# Altium PCB PCB2-v2.PcbDoc (part 1 of 8) (continued)
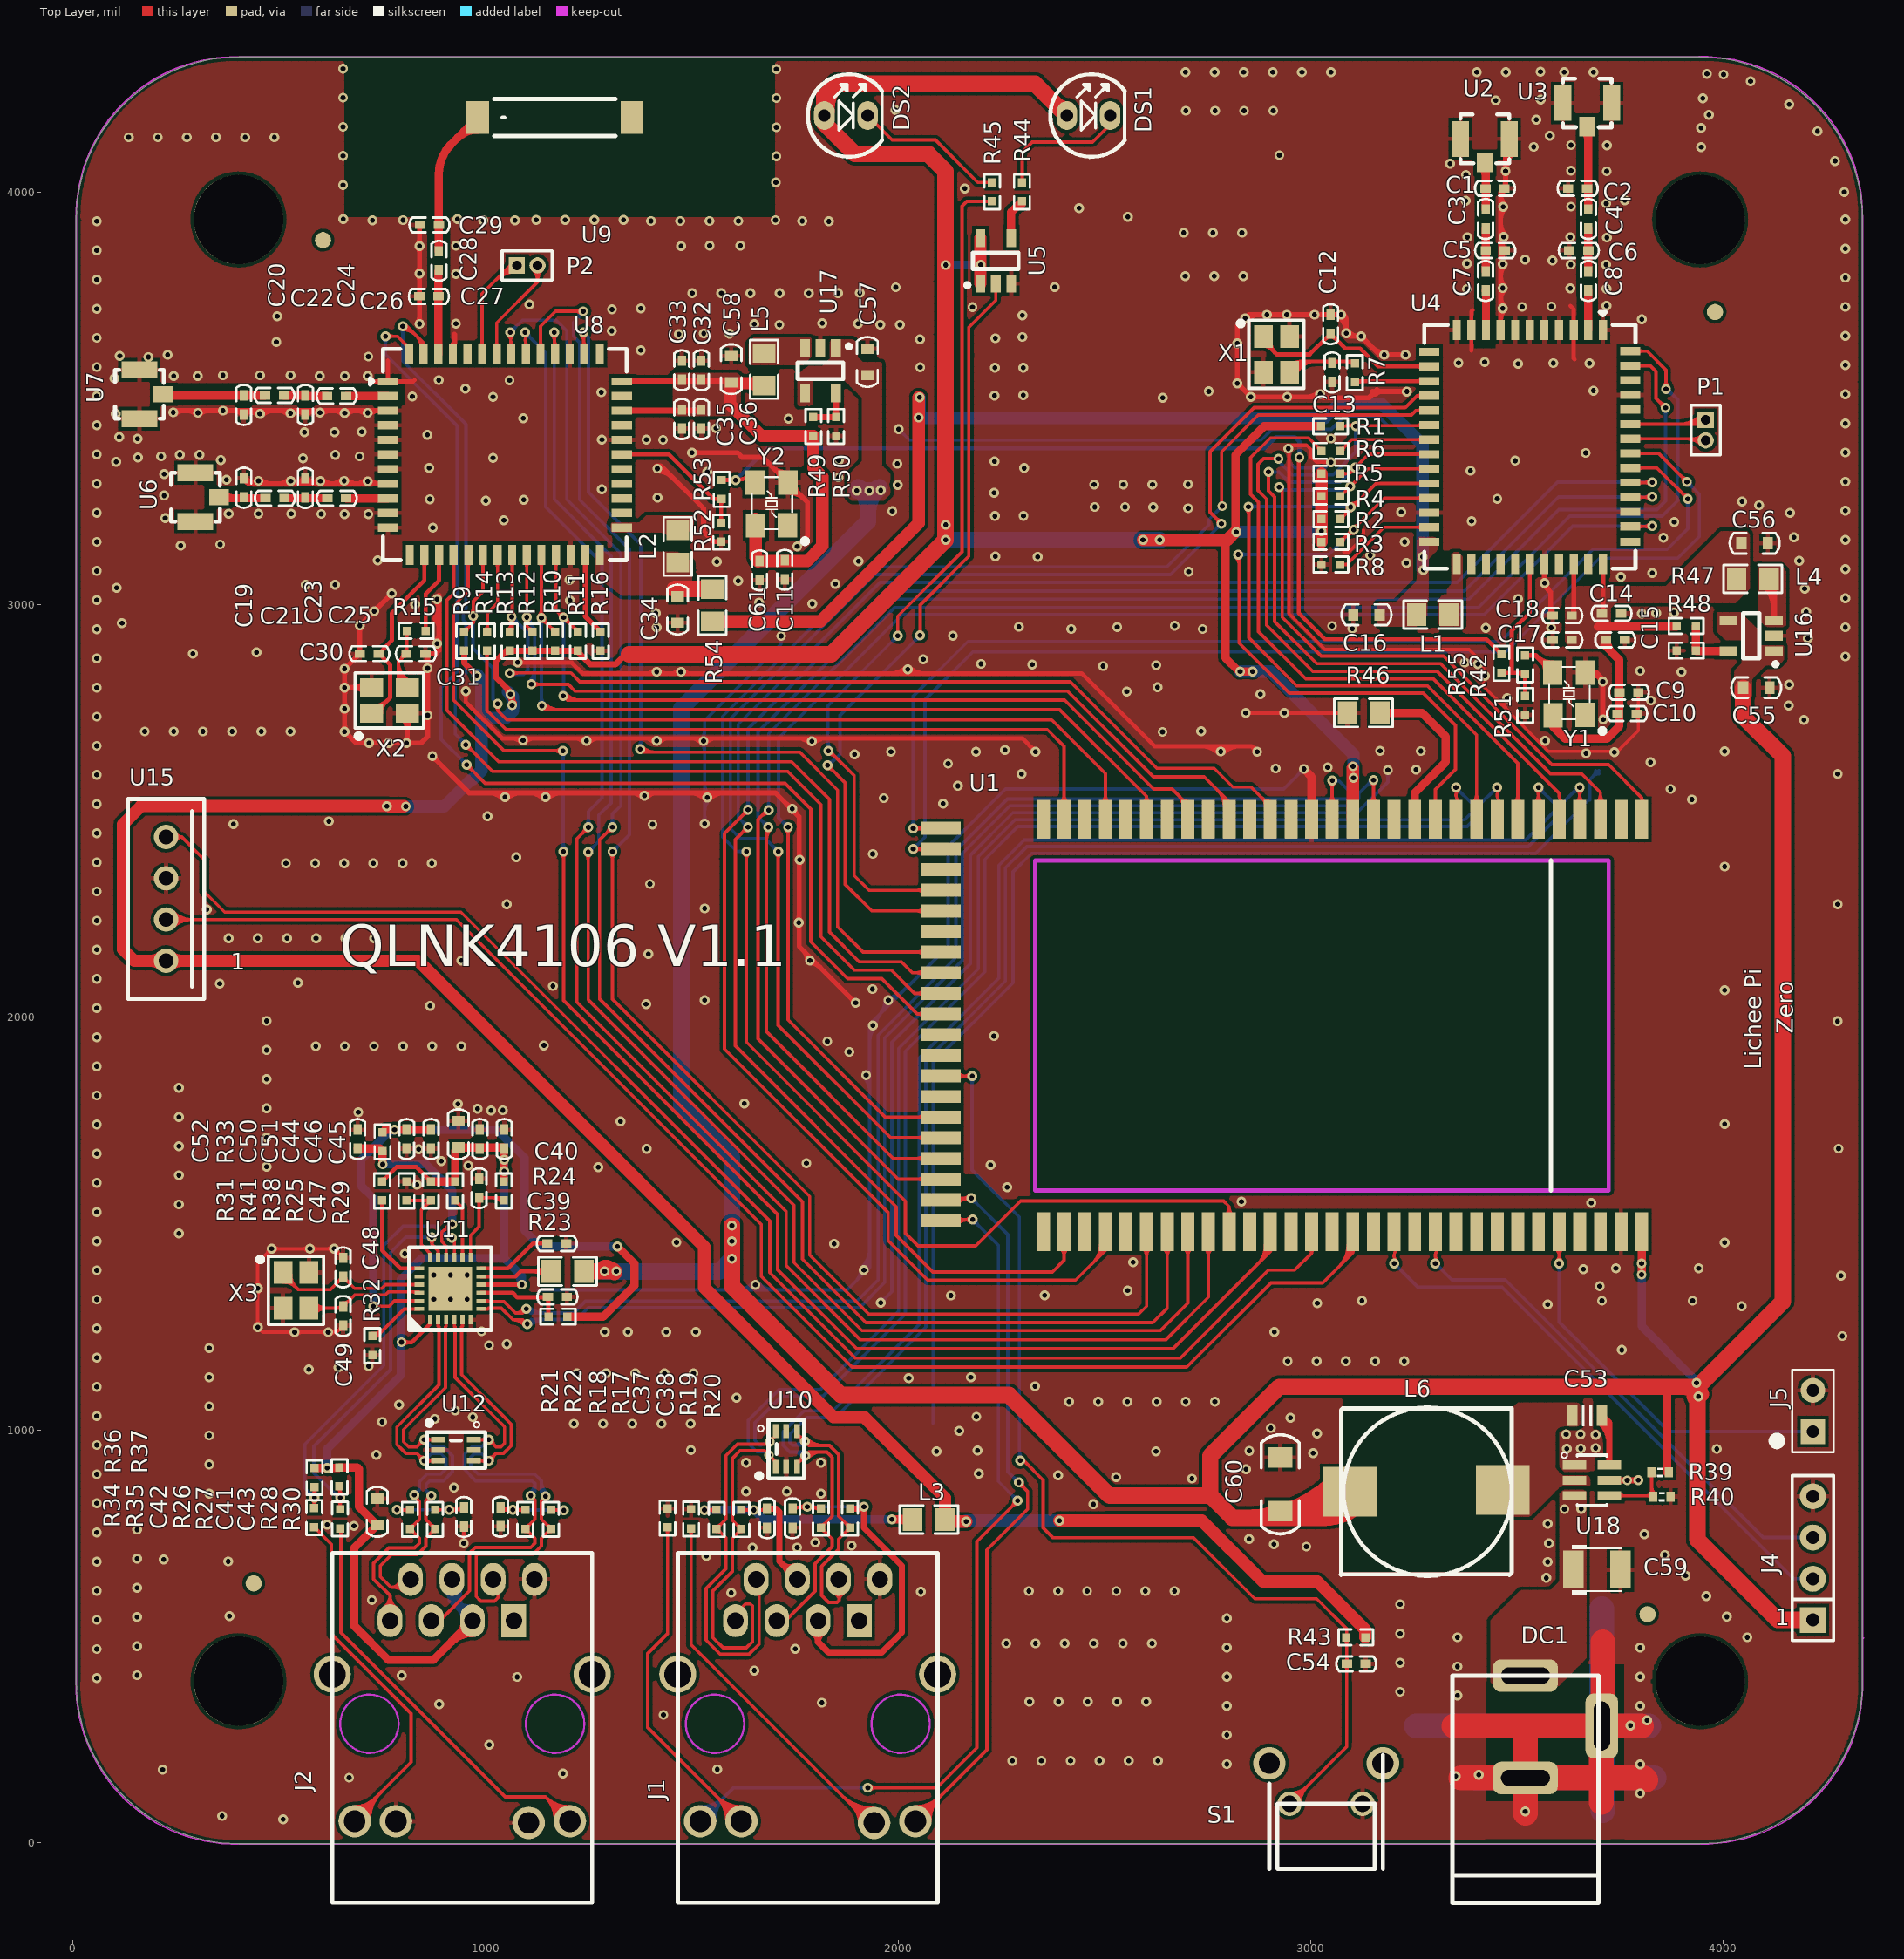
[diagram p0: Top Layer view]
## Footprints (in the part's own frame and the unit in brackets; to place one, negate y for a bottom-side part, rotate by r counter-clockwise, add the part's x,y. Pads: shape width x height; smd on the part's side, far side on the other; paste and mask are expansions set on the pad)
0402C [mil]
  rect 25x20 smd: 1(0,0) 2(46,0)
  silkscreen extent -25,-18 71,18, body extent 4,-12 43,12, height 8
0402R [mil]
  rect 20x20 smd: 1(-23,0) 2(23,0)
  silkscreen extent -42,-19 42,19, body extent -23,-11 23,11, height 16
0603C [mil]
  rect 25x30 smd: 1(0,0) 2(64,0)
  silkscreen extent -28,-25 92,25, body extent 0,-16 63,16, height 12
0805R [mm]
  rect 1.2x1.4 smd: 1(0,0) 2(2,0)
  silkscreen extent -0.8,-0.86 2.8,0.86, body extent 0,-0.62 2,0.63, height 0.77
1206C [mil]
  rect 50x60 smd: 1(0,0) 2(130,0)
  silkscreen extent -55,-46 185,46
3225 [mil]
  rect 47.24x59.06 smd: 1(-38.5,51) 2(-39.5,-52) 3(39.5,-52) 4(38.5,52)
  silkscreen extent -87,-65 48,96, body extent -50,-65 48,61, height 31
AN9520 [mm]
  rect 2x1.4 smd: 0(0,-9.5) 1(0,0)
  silkscreen extent -1.14,-8.51 1.14,-1.02, body extent -1.14,-9.52 1.14,0, height 1
AP6398SR3 [mm] "ap6398sr3"
  rect 0.5x1.25 smd: 1(-4.5,-7.2) 2(-3.6,-7.2) 3(-2.7,-7.2) 4(-1.8,-7.2) 5(-0.9,-7.2) 6(0,-7.2) 7(0.9,-7.2) 8(1.8,-7.2) 9(2.7,-7.2) 10(3.6,-7.2) 11(4.5,-7.2) 26(4.5,7.2) 27(3.6,7.2) 28(2.7,7.2) 29(1.8,7.2) 30(0.9,7.2) 31(0,7.2) 32(-0.9,7.2) 33(-1.8,7.2) 34(-2.7,7.2) 35(-3.6,7.2) 36(-4.5,7.2)
  rect 1.25x0.5 smd: 12(6.188,-5.85) 13(6.188,-4.95) 14(6.188,-4.05) 15(6.188,-3.15) 16(6.188,-2.25) 17(6.188,-1.35) 18(6.188,-0.45) 19(6.188,0.45) 20(6.188,1.35) 21(6.188,2.25) 22(6.188,3.15) 23(6.188,4.05) 24(6.188,4.95) 25(6.188,5.85) 37(-6.188,5.85) 38(-6.188,4.9) 39(-6.188,4) 40(-6.188,3.1) 41(-6.188,2.2) 42(-6.188,1.3) 43(-6.188,0.4) 44(-6.188,-0.5) 45(-6.188,-1.4) 46(-6.188,-2.3) 47(-6.188,-3.2) 48(-6.188,-4.1) 49(-6.188,-5) 50(-6.188,-5.9)
  silkscreen extent -6.5,-8.3 6.5,7.5, body extent -6.5,-7.5 6.5,7.5, height 1.5
CAP_0805 [mil]
  rect 26x52 smd: 1(-36,0) 2(36,0)
  silkscreen extent -12,-24 12,24, body extent -39,-24 39,24, height 50
CAP_TAN_B1210 [mil]
  rect 50x92 smd: 1(-57,0) 2(57,0)
  silkscreen extent -60,-60 60,60, body extent -69,-55 69,55, height 83
CN2 [mil] "Header 2 X 1"
  rect 60x60 hole 30: 1(0,0)
  round 60 hole 30: 2(0,-100)
  silkscreen extent -50,-150 97,50
DC005-2.0MM [mm] "DC005-2.0"
  rrect50% 2x4 hole 3 slot 1 at 0 deg: 1(0,0) 3(6.3,0)
  rrect50% 4x2 hole 3 slot 1 at 90 deg: 2(3.1,4.7)
  silkscreen extent 0,-4.5 14,4.5
DHT12 [mm]
  round 1.5 hole 0.9: 1(-3.81,0) 2(-1.27,0) 3(1.27,0) 4(3.81,0)
  silkscreen extent -6.15,-2.35 6.15,2.35, body extent -6.2,-2.4 6.2,2.4, height 7.5
IPEX [mm]
  rect 1.05x2.2 smd: 0(-1.5,1.5) 0(1.5,1.5)
  rect 1x1.2 smd: 1(0,0.05)
  silkscreen extent -1.5,0 1.5,3, body extent -1.52,0 1.52,3.05, height 1
LC-SMD-3225_4P [mm]
  rect 1.4x1.15 smd: 1(-1.1,-0.8) 2(1.1,-0.8) 3(1.1,0.8) 4(-1.1,0.8)
  silkscreen extent -2.1,-2.35 2.1,1.7, body extent -1.6,-1.25 1.6,1.25, height 0.61
LC-SOT-23-5 [mm]
  rect 1.1x0.6 smd: 1(1.4,-0.95) 2(1.4,0) 3(1.4,0.95) 4(-1.4,0.95) 5(-1.4,-0.95)
  silkscreen extent -0.5,-1.87 1.62,1.4
LED-5 [mil]
  oval 50x70 hole 30: A(0,0) K(105,0)
  silkscreen extent -40,-100 140,100
Lichee_Zero_Full [mm]
  rect 2.4x0.8 smd: 1(0,0) 2(0,-1.27) 3(0,-2.54) 4(0,-3.81) 5(0,-5.08) 6(0,-6.35) 7(0,-7.62) 8(0,-8.89) 9(0,-10.16) 10(0,-11.43) 11(0,-12.7) 12(0,-13.97) 13(0,-15.24) 14(0,-16.51) 15(0,-17.78) 16(0,-19.05) 17(0,-20.32) 18(0,-21.59) 19(0,-22.86) 20(0,-24.13) 21(0,-25.4) 22(0,-26.67) 23(0,-27.94) 24(0,-29.21) 25(0,-30.48) 26(0,-31.75) 27(0,-33.02) 28(0,-34.29) 29(0,-35.56) 30(0,-36.83) 31(25.4,-36.83) 32(25.4,-35.56) 33(25.4,-34.29) 34(25.4,-33.02) 35(25.4,-31.75) 36(25.4,-30.48) 37(25.4,-29.21) 38(25.4,-27.94) 39(25.4,-26.67) 40(25.4,-25.4) 41(25.4,-24.13) 42(25.4,-22.86) 43(25.4,-21.59) 44(25.4,-20.32) 45(25.4,-19.05) 46(25.4,-17.78) 47(25.4,-16.51) 48(25.4,-15.24) 49(25.4,-13.97) 50(25.4,-12.7) 51(25.4,-11.43) 52(25.4,-10.16) 53(25.4,-8.89) 54(25.4,-7.62) 55(25.4,-6.35) 56(25.4,-5.08) 57(25.4,-3.81) 58(25.4,-2.54) 59(25.4,-1.27) 60(25.4,0)
  rect 0.8x2.4 smd: 61(24.834,6.3) 62(23.564,6.3) 63(22.294,6.3) 64(21.024,6.3) 65(19.754,6.3) 66(18.484,6.3) 67(17.214,6.3) 68(15.944,6.3) 69(14.674,6.3) 70(13.404,6.3) 71(12.134,6.3) 72(10.864,6.3) 73(9.594,6.3) 74(8.324,6.3) 75(7.054,6.3) 76(5.784,6.3) 77(4.514,6.3) 78(3.244,6.3) 79(1.974,6.3) 80(0.704,6.3)
  Keep-Out Layer lines w0.254: 2.54,0.508 2.54,-34.798 22.86,-34.798 22.86,0.508 2.54,0.508
  silkscreen extent 2.54,-31.24 22.86,-31.24, body extent 0,-39.65 25.55,6.35, height 5.55
MHDR1X2 [mm] "Connector; Header; 2 Position"
  rect 1x1 hole 0.6: 1(0,0)
  round 1 hole 0.6: 2(1.27,0)
  silkscreen extent -0.9,-0.9 2.17,0.9
RES_0402 [mil]
  rect 20x24 smd: 1(-21,0) 2(21,0)
  silkscreen extent -6,-10 6,10, body extent -20,-10 20,10, height 16
RJ45-HR9111105A [mil] "?"
  oval 60x80 hole 40: 1(130.2,-330) 2(80.2,-430) 3(30.2,-330) 4(-19.8,-430) 5(-69.8,-330) 6(-119.8,-430) 8(-219.8,-430)
  rect 60x80 hole 40: 7(-169.8,-330)
  round 78.74 hole 51.97: 9(215.83,156.22) 10(115.83,156.22) 11(-205.83,160) 12(-305.83,156.22)
  round 90 hole 65: 13(270.16,-200.08) 14(-359.76,-200.08)
  Keep-Out Layer circle w5: c180,-80 r70.8
  Keep-Out Layer circle w5: c-270,-80 r70.8
  silkscreen extent -360,-493 270,353
RTL8152B [mm]
  rect 0.25x0.6 smd: 1(-1.25,-1.905) 2(-0.75,-1.905) 3(-0.25,-1.905) 4(0.25,-1.905) 5(0.75,-1.905) 6(1.25,-1.905) 13(1.25,1.905) 14(0.75,1.905) 15(0.25,1.905) 16(-0.25,1.905) 17(-0.75,1.905) 18(-1.25,1.905)
  rect 0.6x0.25 smd: 7(1.905,-1.25) 8(1.905,-0.75) 9(1.905,-0.25) 10(1.905,0.25) 11(1.905,0.75) 12(1.905,1.25) 19(-1.905,1.25) 20(-1.905,0.75) 21(-1.905,0.25) 22(-1.905,-0.25) 23(-1.905,-0.75) 24(-1.905,-1.25)
  rect 2.7x2.7 smd paste+0: 25(0,0)
  silkscreen extent -2.54,-2.54 2.54,2.54, body extent -2,-2 2,2, height 0.85
SIP4-2.54 [mm]
  rect 1.6x1.6 hole 0.8: 1(0,0)
  round 1.6 hole 0.8: 2(2.54,0) 3(5.08,0) 4(7.62,0)
  silkscreen extent -1.27,-1.27 8.89,1.27
SKHHLVA010 [mm]
  round 1.5 hole 1: 1(-2.25,0) 2(2.25,0)
  silkscreen extent -3.5,-4 3.5,3
SLF10145 [mil]
  rect 130x120 smd: 1(0,0) 2(370.08,3.94)
  silkscreen extent -23,-204 392,204
SOT23-6 [mm] "SOT-23/SC-74A; 5 Leads; Body 3.1 x 3 mm, inc. leads (LxW max)"
  rect 0.55x1.45 smd: 1(0.95,1.075) 2(0,1.075) 3(-0.95,1.075) 4(-0.95,-1.075) 5(0,-1.075) 6(0.95,-1.075)
  silkscreen extent -1.55,-0.9 1.73,1.88, body extent -1.4,-1.19 1.4,1.23, height 1.08
TPD4E1U06 [mm]
  rect 0.35x0.85 smd: 1(-0.65,-1.1) 2(0,-1.1) 3(0.65,-1.1) 4(0.65,1.1) 5(0,1.1) 6(-0.65,1.1)
  silkscreen extent -1.82,-1.8 1.1,1.8, body extent -1.1,-0.7 1.1,0.7, height 1.1

## Part data
C1 C2 C3 C4 C5 C6 C7 C8 C9 C10 C11 C12 C13 C14 C15 C16 C17 C18 C19 C20 C21 C22 C23 C24 C25 C26 C27 C28 C29 C30 C31 C32 C33 C34 C35 C36 C37 C38 C39 C40 C41 C42 C43 C44 C45 C46 C47 C48 C49 C50 C51 C52 C54 C55 C56 C57 C58 C60 C61: library part CAP, "SMD-CAP"
C53: library part Cap_0805, "Capacitor"
C59: library part Cap_Tan_1210, "Capacitor"
DC1: library part DC5V
DS1: library part LED, "Blue LED"
DS2: library part LED, "Green LED"
J1 J2: library part RJ45-HR9111105A
J4: library part SIP4, "jointbar"
J5: library part CN2
L1 L2: library part L1, "LQM2MPN2R2NG0L"
L3: library part L1, "电感"
L4 L5: library part L1, "LQM2MPN3R3NG0L"
L6: library part L1, "SLF10145T-3R3N3R7-PF"
P1 P2: library part MHDR1X2, "Header, 2-Pin"
R1 R2 R3 R4 R5 R6 R7 R8 R9 R10 R11 R12 R13 R14 R15 R16 R17 R18 R19 R20 R21 R22 R23 R24 R25 R26 R27 R28 R29 R30 R31 R32 R33 R34 R35 R36 R37 R38 R41 R42 R43 R44 R45 R46 R47 R48 R49 R50 R51 R52 R53 R54 R55: library part R
R39 R40: library part Res_0402, "Resistor"
S1: library part SW-PB, "SKHHLVA010"
U1: library part Lichee_Zero_Full, "Lichee_pizero LPZ1011"
U5: "SN74AHC1G08DBVR"
X1 X2: "37.4MHz"
X3: library part XTAL-4pin
Y1 Y2: library part XATL1, "3225 有源"

## Free pads (board coordinates)
  round 216.54 hole 216.54 unplated: 0(400.59,390.59) 0(400.59,3933.9) 0(3943.89,390.59) 0(3943.89,3933.9)
  round 39.37 smd mask+39.37: 0(437.53,627.89) 0(605.51,3883.89) 0(3816.33,553.07) 0(3979.89,3709.6)

## Via types
v1: diameter 24, hole 12, Top Layer to Bottom Layer, tented both sides, 931 vias
v2: diameter 78.74, hole 51.18, Top Layer to Bottom Layer, 2 vias

## Nets (pads, with @x,y where several pads share a name; then routed paths per layer and width w, separated by ;. In a path a pad name is that pad's centre, name@x,y a point inside that pad or via, vN(x,y) a via of type N, cw(c..) or ccw(c..) an arc to the next point about the centre after c; other vN are vias at no path point)
3V3: DS1.A DS2.A L3.2 R1.2 R2.2 R3.2 R4.2 R5.2 R9.2 R10.2 R11.2 R12.2 R13.2 R43.2 U1.45 U5.1 U5.5 U15.1 | length 12632.2
  Top Layer w15: R9.2@947.83,2888.52 947.83,2858.52 v1@978.57,2827.78 ; v1@1057.41,2785.07 cw(c1041.77,2769.44) 1063.89,2769.44 ; v1@1063.89,2761.28 1063.89,2784.96 1024.01,2824.84 1024.01,2862.99 1049.54,2888.52 R13.2@1058.07,2888.52 R12.2@1113.19,2888.52 R10.2@1168.3,2888.52 1220.28,2888.52 1253.1,2855.7 1314.93,2855.7 1337.89,2878.66 ; v1@1063.89,2772.18 ccw(c1077.06,2772.18) v1@1067.75,2762.86 ; 1039.24,2878.22 cw(c1058.07,2859.4) R13.2@1058.07,2886.02 ; 1039.24,2878.22 cw(c1058.07,2859.4) R13.2@1058.07,2886.02 ; 1039.24,2878.22 cw(c1058.07,2859.4) R13.2@1058.07,2886.02 ; 1039.24,2878.22 cw(c1058.07,2859.4) R13.2@1058.07,2886.02 ; 1047.92,2800.92 cw(c1030.19,2783.19) v1@1055.27,2783.19 ; 1047.92,2800.92 cw(c1030.19,2783.19) v1@1055.27,2783.19 ; 1047.92,2800.92 cw(c1030.19,2783.19) v1@1055.27,2783.19 ; v1@1056.59,2780.01 cw(c1038.96,2762.38) v1@1063.89,2762.38 ; v1@1056.59,2780.01 cw(c1038.96,2762.38) v1@1063.89,2762.38 ; v1@1056.59,2780.01 cw(c1038.96,2762.38) v1@1063.89,2762.38 ; R11.2@1225.92,2888.52 ccw(c1239.55,2888.52) R11.2@1229.91,2878.89 ; R11.2@1225.92,2888.52 ccw(c1239.55,2888.52) R11.2@1229.91,2878.89 ; R11.2@1225.92,2888.52 ccw(c1239.55,2888.52) R11.2@1229.91,2878.89
  Top Layer w20: 2793.16,3157.13 2793.16,2871.06 2826.12,2838.1 v1(2858.74,2838.1) ; v1@2817.24,3176.78 2817.24,3363.4 2886.58,3432.74 R1.2@3024.92,3432.74
  Top Layer w30: v1@802.09,2511.52 764.45,2511.52 764.05,2511.92 164.58,2511.92 120.52,2467.86 120.52,2164.71 148.15,2137.07 U15.1@225.08,2137.07 836.5,2137.07 1529.51,1444.07 1529.51,1344.92 1843.01,1031.42 1916.89,1031.42 2113.24,835.07 L3.2@2113.24,782.68 2118.18,777.74 v1(2164.77,777.74) ; U5.1@2198.97,3778.71 U5.5@2198.97,3888.94 ; v1(2390.71,779.95) 2735.94,779.95 2883.55,632.33 3015.57,632.33 3132.25,515.66 R43.2@3132.25,496.89 ; v1(2593.29,3157.13) 2793.16,3157.13 ; 2797.59,3157.13 v1@2817.24,3176.78 ; R3.2@3025.73,3152.46 R2.2@3025.73,3207.58 R4.2@3025.73,3262.7 R5.2@3025.73,3317.81 ; U1.45@3101.96,2480.2 v1@3101.96,2604.62 ; 190.01,2137.07 cw(c190.01,2102) U15.1@214.81,2126.8 ; 190.01,2137.07 ccw(c190.01,2172.15) U15.1@214.81,2147.35 ; 190.01,2137.07 cw(c190.01,2102) U15.1@214.81,2126.8 ; 190.01,2137.07 ccw(c190.01,2172.15) U15.1@214.81,2147.35 ; 190.01,2137.07 ccw(c190.01,2172.15) U15.1@214.81,2147.35 ; 190.01,2137.07 cw(c190.01,2102) U15.1@214.81,2126.8 ; 190.01,2137.07 ccw(c190.01,2172.15) U15.1@214.81,2147.35 ; 190.01,2137.07 cw(c190.01,2102) U15.1@214.81,2126.8 ; U15.1@235.36,2126.8 cw(c260.16,2102) 260.16,2137.07 ; U15.1@235.36,2126.8 cw(c260.16,2102) 260.16,2137.07 ; U15.1@235.36,2126.8 cw(c260.16,2102) 260.16,2137.07 ; U15.1@235.36,2126.8 cw(c260.16,2102) 260.16,2137.07 ; U15.1@235.36,2147.35 ccw(c260.16,2172.15) 260.16,2137.07 ; U15.1@235.36,2147.35 ccw(c260.16,2172.15) 260.16,2137.07 ; U15.1@235.36,2147.35 ccw(c260.16,2172.15) 260.16,2137.07 ; U15.1@235.36,2147.35 ccw(c260.16,2172.15) 260.16,2137.07
  Top Layer w40: 1347.51,2879.55 1837.31,2879.55 v1(2114.89,3157.13) v1(2114.89,3193.81) v1(2114.89,3823.57) 2114.89,4050.52 2072.78,4092.62 1894.89,4092.62 1820.83,4166.69 DS2.A@1820.83,4185.85 1820.83,4232.57 1851.27,4263.02 ; DS1.A@2408.67,4185.85 2331.5,4263.02 1851.27,4263.02 ; 1851.27,4263.01 ccw(c1913.07,4201.21) 1825.82,4196.14 cw(c1913.07,4201.21) 1851.27,4263.01 ; 2383.06,4211.46 ccw(c2408.67,4237.06) 2408.67,4200.85 cw(c2408.67,4237.06) 2383.06,4211.46
  Bottom Layer w15: v1(760.19,2511.52) v1@760.19,2513.06
  Bottom Layer w20: v1(2114.89,3823.57) 2199.74,3823.57 v1(2200.02,3823.85)
  Bottom Layer w30: v1@763.84,2511.04 899.22,2511.04 965.08,2576.89 968.38,2576.89 989.66,2598.17 989.66,2816.82 v1@978.89,2827.59 ; 993.4,2724.89 1047.9,2724.89 1065.96,2742.95 1065.96,2776.84 v1@1063.33,2779.46 ; v1@2164.77,779.89 v1@2390.71,779.89 ; v1(2819.38,3176.62) v1@3025.73,3176.62 ; v1(2828.64,2838.1) v1(2858.74,2838.1) 2902.68,2838.1 3103.37,2637.41 v1(3103.37,2580.21) ; v1@980.5,2829.71 cw(c958.39,2807.6) 989.66,2807.6 ; v1@980.5,2829.71 cw(c958.39,2807.6) 989.66,2807.6 ; v1@980.5,2829.71 cw(c958.39,2807.6) 989.66,2807.6 ; v1@980.5,2829.71 cw(c958.39,2807.6) 989.66,2807.6 ; v1@1053.56,2789.24 cw(c1020.76,2756.44) v1@1067.15,2756.44 ; v1@1053.56,2789.24 cw(c1020.76,2756.44) v1@1067.15,2756.44 ; v1@1053.56,2789.24 cw(c1020.76,2756.44) v1@1067.15,2756.44 ; 1058.45,2735.44 ccw(c1037.45,2756.44) v1@1067.15,2756.44 ; 1058.45,2735.44 ccw(c1037.45,2756.44) v1@1067.15,2756.44 ; 1058.45,2735.44 ccw(c1037.45,2756.44) v1@1067.15,2756.44
  Bottom Layer w40: v1@2114.89,3187.03 v1(2114.89,3157.13) v1(2593.29,3157.13) v1(2633.92,3157.13)
  other v1: 806.23,2511.04 3102.42,2608.45 1064.15,2756.44 1059.77,2783.19 978.38,2827.59 3025.9,3178.3
+12: C59.1 DC1.1 U18.3 U18.5 | length 107.2
  Top Layer w15: U18.5@3724.1,877.62 3791.48,877.62 v1@3791.89,877.22 ; 3781.64,877.62 ccw(c3781.64,890.11) v1@3790.48,881.28 ; 3781.64,877.62 ccw(c3781.64,890.11) v1@3790.48,881.28 ; 3781.64,877.62 ccw(c3781.64,890.11) v1@3790.48,881.28 ; 3781.64,877.62 ccw(c3781.64,890.11) v1@3790.48,881.28
  other v1: 3614.79,807.89 3655.89,808.48 3767.06,877.62 3793.66,878.1
AVDD10: C50.1 C51.1 R23.1 R33.1 U11.23 | length 1981.1
  Top Layer w8: v1(727.57,1299.72) 765.81,1299.72 778.76,1312.66 U11.23@839.06,1312.66 ; v1@733.23,1294.06 cw(c746.89,1280.4) 746.89,1299.72 ; v1@733.23,1294.06 cw(c746.89,1280.4) 746.89,1299.72 ; v1@733.23,1294.06 cw(c746.89,1280.4) 746.89,1299.72 ; v1@733.23,1294.06 cw(c746.89,1280.4) 746.89,1299.72 ; v1@733.23,1305.37 ccw(c746.89,1319.03) 746.89,1299.72 ; v1@733.23,1305.37 ccw(c746.89,1319.03) 746.89,1299.72 ; v1@733.23,1305.37 ccw(c746.89,1319.03) 746.89,1299.72 ; v1@733.23,1305.37 ccw(c746.89,1319.03) 746.89,1299.72
  Top Layer w20: R33.1@756.33,1727.81 C50.1@808.09,1727.81 C51.1@867.31,1727.81 ; R23.1@1198.03,1274.35 1284.9,1274.35 1360.4,1349.86 1360.4,1403.37 v1(1319.23,1444.54) ; R33.1@749.87,1721.36 cw(c765.46,1705.77) 765.46,1727.81 ccw(c765.46,1705.77) R33.1@749.87,1721.36
  Bottom Layer w20: v1(727.57,1299.72) 727.57,1561.74 698.41,1590.91 698.41,1655.12 707.87,1664.59 741.64,1698.36 ; 752.04,1708.75 741.64,1698.36 ; v1(1319.23,1444.54) 1132.76,1444.54 1094.15,1483.15 1094.15,1659.9 1026.4,1727.64 v1(778.97,1727.64) 770.93,1727.64 741.64,1698.36 ; 761.83,1718.54 cw(c778.97,1701.4) 778.97,1725.65 ccw(c778.97,1701.4) 761.83,1718.54
AVDD_33_PHY: C42.1 C44.1 C45.1 C46.1 J2.4 J2.5 R25.1 R29.1 R31.1 R36.2 R37.2 R38.2 U11.1 U11.10 | length 4158.8
  Top Layer w10: R31.1@748.7,1602.21 783.55,1637.06 831.97,1637.06 R38.2@866.82,1602.21 ; v1@792.19,1211.73 820.18,1211.73 U11.1@864.85,1256.4 ; U11.10@989.06,1352.03 1051.84,1352.03 ; v1(1087.69,1352.03) 1051.84,1352.03 ; R31.1@748.7,1607.21 ccw(c748.7,1619.28) R31.1@757.24,1610.74 ; R31.1@748.7,1607.21 ccw(c748.7,1619.28) R31.1@757.24,1610.74 ; R31.1@748.7,1607.21 ccw(c748.7,1619.28) R31.1@757.24,1610.74 ; R31.1@748.7,1607.21 ccw(c748.7,1619.28) R31.1@757.24,1610.74 ; R31.1@753.7,1602.21 cw(c765.78,1602.21) R31.1@757.24,1610.74 ; R31.1@753.7,1602.21 cw(c765.78,1602.21) R31.1@757.24,1610.74 ; R31.1@753.7,1602.21 cw(c765.78,1602.21) R31.1@757.24,1610.74 ; R31.1@753.7,1602.21 cw(c765.78,1602.21) R31.1@757.24,1610.74 ; v1@800.64,1207.53 cw(c810.77,1197.4) 810.77,1211.73 ; v1@800.64,1207.53 cw(c810.77,1197.4) 810.77,1211.73 ; v1@800.64,1207.53 cw(c810.77,1197.4) 810.77,1211.73 ; v1@800.64,1207.53 cw(c810.77,1197.4) 810.77,1211.73 ; v1@800.64,1217.43 ccw(c814.4,1231.2) 814.4,1211.73 ; v1@800.64,1217.43 ccw(c814.4,1231.2) 814.4,1211.73 ; v1@800.64,1217.43 ccw(c814.4,1231.2) 814.4,1211.73 ; v1@800.64,1217.43 ccw(c814.4,1231.2) 814.4,1211.73 ; R38.2@858.28,1610.74 cw(c849.74,1602.21) R38.2@861.82,1602.21 ; R38.2@858.28,1610.74 ccw(c866.82,1619.28) R38.2@866.82,1607.21 ; R38.2@858.28,1610.74 cw(c849.74,1602.21) R38.2@861.82,1602.21 ; R38.2@858.28,1610.74 ccw(c866.82,1619.28) R38.2@866.82,1607.21 ; R38.2@858.28,1610.74 ccw(c866.82,1619.28) R38.2@866.82,1607.21 ; R38.2@858.28,1610.74 cw(c849.74,1602.21) R38.2@861.82,1602.21 ; R38.2@858.28,1610.74 ccw(c866.82,1619.28) R38.2@866.82,1607.21 ; R38.2@858.28,1610.74 cw(c849.74,1602.21) R38.2@861.82,1602.21 ; 1051.84,1352.03 1073.64,1352.03 ; 1070.79,1352.03 ccw(c1070.79,1368.93) v1@1082.74,1356.98 ; 1070.79,1352.03 cw(c1070.79,1335.14) v1@1082.74,1347.08 ; 1070.79,1352.03 ccw(c1070.79,1368.93) v1@1082.74,1356.98 ; 1070.79,1352.03 cw(c1070.79,1335.14) v1@1082.74,1347.08 ; 1070.79,1352.03 ccw(c1070.79,1368.93) v1@1082.74,1356.98 ; 1070.79,1352.03 cw(c1070.79,1335.14) v1@1082.74,1347.08 ; 1070.79,1352.03 ccw(c1070.79,1368.93) v1@1082.74,1356.98 ; 1070.79,1352.03 cw(c1070.79,1335.14) v1@1082.74,1347.08 ; 1073.64,1352.03 ccw(c1073.64,1362.63) 1082.1,1356.25 cw(c1073.64,1362.63) 1073.64,1352.03 ; 1073.64,1352.03 cw(c1073.64,1341.44) 1082.1,1347.82 ccw(c1073.64,1341.44) 1073.64,1352.03 ; 862.22,1253.78 ccw(c855.7,1260.3) 864.93,1260.3 cw(c855.7,1260.3) 862.22,1253.78
  Top Layer w20: R36.2@585.02,907.43 v1(615.59,907.43) 644,907.43 R37.2@645.55,908.99 688.95,908.99 692.78,905.16 692.78,813.35 C42.1@736.89,769.24 680.8,713.15 680.8,525.53 763.51,442.82 873.34,442.82 J2.5@967.96,537.45 ; R38.2@866.82,1602.21 R25.1@925.87,1602.21 925.87,1677.05 C44.1@933.54,1684.71 1042.08,1684.71 C45.1@1043.98,1682.81 ; R29.1@1043.98,1602.21 C45.1@1043.98,1682.81 ; C45.1@1044.98,1681.81 C45.1@1043.98,1682.81 ; 925.87,1666.2 cw(c949.54,1666.2) C44.1@932.8,1682.94 ; 925.87,1666.2 cw(c949.54,1666.2) C44.1@932.8,1682.94 ; 925.87,1666.2 cw(c949.54,1666.2) C44.1@932.8,1682.94 ; 925.87,1666.2 cw(c949.54,1666.2) C44.1@932.8,1682.94 ; 916.75,486.24 cw(c967.96,435.03) 967.96,507.45 ccw(c967.96,435.03) 916.75,486.24 ; 940.89,510.38 ccw(c923.82,527.45) 947.96,527.45 cw(c923.82,527.45) 940.89,510.38
  Bottom Layer w20: v1(615.59,907.43) 615.59,953.88 794.09,1132.39 794.09,1365.03 845.13,1416.07 1044.64,1416.07 ; J2.4@917.96,637.45 917.96,587.45 ; J2.5@967.96,537.45 917.96,587.45 ; v1@1044.64,1654.85 v1(1044.64,1627.01) 1044.64,1416.07 ; v1(1087.69,1352.03) 1087.69,1373.02 1044.64,1416.07 ; J2.4@905.96,611.45 cw(c887.97,587.45) 917.96,587.45 ; J2.4@905.96,611.45 cw(c887.97,587.45) 917.96,587.45 ; J2.4@905.96,611.45 cw(c887.97,587.45) 917.96,587.45 ; J2.4@905.96,611.45 cw(c887.97,587.45) 917.96,587.45 ; 917.96,587.45 cw(c947.96,587.45) J2.4@929.96,611.45 ; 917.96,587.45 cw(c947.96,587.45) J2.4@929.96,611.45 ; 917.96,587.45 cw(c947.96,587.45) J2.4@929.96,611.45 ; 917.96,587.45 cw(c947.96,587.45) J2.4@929.96,611.45 ; J2.4@917.96,627.45 ccw(c958.7,609.61) 927.25,578.16 cw(c958.7,609.61) J2.4@917.96,627.45 ; 922.97,582.45 ccw(c960.18,619.67) 965.82,567.34 cw(c960.18,619.67) 922.97,582.45 ; J2.4@936.28,619.43 ccw(c987.5,596.99) 947.96,557.45 cw(c987.5,596.99) J2.4@936.28,619.43 ; 940.89,564.52 cw(c923.82,547.45) 947.96,547.45 ccw(c923.82,547.45) 940.89,564.52 ; 1069.43,1391.28 cw(c1030.19,1352.03) 1085.69,1352.03 ccw(c1030.19,1352.03) 1069.43,1391.28
  other v1: 795.69,1212.48 1044.94,1654.85
BT0_CTS: U1.61 U4.42 | length 3571.1
  Top Layer w8: v1@2036.24,2457.92 U1.61@2103.93,2457.92 ; 3827.89,3331.54 U4.42@3774.6,3331.54 3839.24,3331.54 v1(3913.89,3256.89) ; v1@2041.9,2452.18 cw(c2055.74,2438.33) 2055.74,2457.92 ; v1@2041.9,2452.18 cw(c2055.74,2438.33) 2055.74,2457.92 ; v1@2041.9,2452.18 cw(c2055.74,2438.33) 2055.74,2457.92 ; v1@2041.9,2452.18 cw(c2055.74,2438.33) 2055.74,2457.92 ; v1@2041.9,2463.49 ccw(c2055.36,2476.96) 2055.36,2457.92 ; v1@2041.9,2463.49 ccw(c2055.36,2476.96) 2055.36,2457.92 ; v1@2041.9,2463.49 ccw(c2055.36,2476.96) 2055.36,2457.92 ; v1@2041.9,2463.49 ccw(c2055.36,2476.96) 2055.36,2457.92 ; v1@2044.07,2457.92 cw(c2044.07,2429.55) U1.61@2064.13,2449.61 ; v1@2044.07,2457.92 ccw(c2044.07,2486.28) U1.61@2064.13,2466.22 ; v1@2044.07,2457.92 cw(c2044.07,2429.55) U1.61@2064.13,2449.61 ; v1@2044.07,2457.92 ccw(c2044.07,2486.28) U1.61@2064.13,2466.22 ; v1@2044.07,2457.92 ccw(c2044.07,2486.28) U1.61@2064.13,2466.22 ; v1@2044.07,2457.92 cw(c2044.07,2429.55) U1.61@2064.13,2449.61 ; v1@2044.07,2457.92 ccw(c2044.07,2486.28) U1.61@2064.13,2466.22 ; v1@2044.07,2457.92 cw(c2044.07,2429.55) U1.61@2064.13,2449.61 ; U4.42@3793.5,3327.41 cw(c3803.47,3317.43) 3803.47,3331.54 ; U4.42@3793.5,3327.41 cw(c3803.47,3317.43) 3803.47,3331.54 ; U4.42@3793.5,3327.41 cw(c3803.47,3317.43) 3803.47,3331.54 ; U4.42@3793.5,3327.41 cw(c3803.47,3317.43) 3803.47,3331.54 ; U4.42@3793.5,3327.41 cw(c3803.47,3317.43) 3803.47,3331.54 ; U4.42@3793.5,3327.41 cw(c3803.47,3317.43) 3803.47,3331.54 ; U4.42@3793.5,3327.41 cw(c3803.47,3317.43) 3803.47,3331.54 ; U4.42@3793.5,3327.41 cw(c3803.47,3317.43) 3803.47,3331.54 ; U4.42@3793.5,3335.67 ccw(c3803.47,3345.64) 3803.47,3331.54 ; U4.42@3793.5,3335.67 ccw(c3803.47,3345.64) 3803.47,3331.54 ; U4.42@3793.5,3335.67 ccw(c3803.47,3345.64) 3803.47,3331.54 ; U4.42@3793.5,3335.67 ccw(c3803.47,3345.64) 3803.47,3331.54 ; U4.42@3793.5,3335.67 ccw(c3803.47,3345.64) 3803.47,3331.54 ; U4.42@3793.5,3335.67 ccw(c3803.47,3345.64) 3803.47,3331.54 ; U4.42@3793.5,3335.67 ccw(c3803.47,3345.64) 3803.47,3331.54 ; U4.42@3793.5,3335.67 ccw(c3803.47,3345.64) 3803.47,3331.54 ; 3900.23,3270.55 cw(c3886.57,3256.89) v1@3905.89,3256.89 ; 3900.23,3270.55 ccw(c3913.89,3284.21) v1@3913.89,3264.89 ; 3900.23,3270.55 cw(c3886.57,3256.89) v1@3905.89,3256.89 ; 3900.23,3270.55 ccw(c3913.89,3284.21) v1@3913.89,3264.89 ; 3900.23,3270.55 ccw(c3913.89,3284.21) v1@3913.89,3264.89 ; 3900.23,3270.55 cw(c3886.57,3256.89) v1@3905.89,3256.89 ; 3900.23,3270.55 ccw(c3913.89,3284.21) v1@3913.89,3264.89 ; 3900.23,3270.55 cw(c3886.57,3256.89) v1@3905.89,3256.89
  Bottom Layer w8: v1(2036.24,2457.84) 2036.24,2778.25 2168.89,2910.89 3460.89,2910.89 3683.89,3133.89 3863.89,3133.89 3913.89,3183.89 v1(3913.89,3256.89) ; v1@2030.58,2463.49 ccw(c2016.93,2477.15) 2036.24,2477.15 ; v1@2030.58,2463.49 ccw(c2016.93,2477.15) 2036.24,2477.15 ; v1@2030.58,2463.49 ccw(c2016.93,2477.15) 2036.24,2477.15 ; v1@2030.58,2463.49 ccw(c2016.93,2477.15) 2036.24,2477.15 ; 2036.24,2477.15 ccw(c2055.55,2477.15) v1@2041.9,2463.49 ; 2036.24,2477.15 ccw(c2055.55,2477.15) v1@2041.9,2463.49 ; 2036.24,2477.15 ccw(c2055.55,2477.15) v1@2041.9,2463.49 ; 2036.24,2477.15 ccw(c2055.55,2477.15) v1@2041.9,2463.49 ; v1@3908.23,3251.24 cw(c3894.57,3237.58) 3913.89,3237.58 ; v1@3908.23,3251.24 cw(c3894.57,3237.58) 3913.89,3237.58 ; v1@3908.23,3251.24 cw(c3894.57,3237.58) 3913.89,3237.58 ; v1@3908.23,3251.24 cw(c3894.57,3237.58) 3913.89,3237.58 ; 3913.89,3237.58 cw(c3933.2,3237.58) v1@3919.54,3251.24 ; 3913.89,3237.58 cw(c3933.2,3237.58) v1@3919.54,3251.24 ; 3913.89,3237.58 cw(c3933.2,3237.58) v1@3919.54,3251.24 ; 3913.89,3237.58 cw(c3933.2,3237.58) v1@3919.54,3251.24
BT0_HOST_WAKE: U1.78 U4.50 | length 4978.4
  Top Layer w8: v1(1685.89,2501.89) 1685.89,2505.89 1659.89,2479.89 1659.89,1947.89 1999.86,1607.92 U1.78@2103.93,1607.92 ; U4.50@3774.6,3615 3814.95,3615 3860.97,3568.98 v1(3860.97,3522.68) ; 1665.4,2485.41 cw(c1685.89,2464.92) v1@1685.89,2493.89 ; 1665.4,2485.41 cw(c1685.89,2464.92) v1@1685.89,2493.89 ; 1665.4,2485.41 cw(c1685.89,2464.92) v1@1685.89,2493.89 ; 1665.4,2485.41 cw(c1685.89,2464.92) v1@1685.89,2493.89 ; 1675.06,2495.06 ccw(c1668.23,2501.89) v1@1677.89,2501.89 ; 1675.06,2495.06 ccw(c1668.23,2501.89) v1@1677.89,2501.89 ; 1675.06,2495.06 ccw(c1668.23,2501.89) v1@1677.89,2501.89 ; 1675.06,2495.06 ccw(c1668.23,2501.89) v1@1677.89,2501.89 ; 2044.07,1607.92 cw(c2044.07,1579.55) U1.78@2064.13,1599.61 ; 2044.07,1607.92 ccw(c2044.07,1636.28) U1.78@2064.13,1616.22 ; 2044.07,1607.92 cw(c2044.07,1579.55) U1.78@2064.13,1599.61 ; 2044.07,1607.92 ccw(c2044.07,1636.28) U1.78@2064.13,1616.22 ; 2044.07,1607.92 ccw(c2044.07,1636.28) U1.78@2064.13,1616.22 ; 2044.07,1607.92 cw(c2044.07,1579.55) U1.78@2064.13,1599.61 ; 2044.07,1607.92 ccw(c2044.07,1636.28) U1.78@2064.13,1616.22 ; 2044.07,1607.92 cw(c2044.07,1579.55) U1.78@2064.13,1599.61 ; U4.50@3793.5,3610.87 cw(c3803.47,3600.9) 3803.47,3615 ; U4.50@3793.5,3610.87 cw(c3803.47,3600.9) 3803.47,3615 ; U4.50@3793.5,3610.87 cw(c3803.47,3600.9) 3803.47,3615 ; U4.50@3793.5,3610.87 cw(c3803.47,3600.9) 3803.47,3615 ; U4.50@3793.5,3619.13 ccw(c3803.47,3629.11) 3803.47,3615 ; U4.50@3793.5,3619.13 ccw(c3803.47,3629.11) 3803.47,3615 ; U4.50@3793.5,3619.13 ccw(c3803.47,3629.11) 3803.47,3615 ; U4.50@3793.5,3619.13 ccw(c3803.47,3629.11) 3803.47,3615 ; v1@3855.31,3528.33 ccw(c3841.66,3541.99) 3860.97,3541.99 ; v1@3855.31,3528.33 ccw(c3841.66,3541.99) 3860.97,3541.99 ; v1@3855.31,3528.33 ccw(c3841.66,3541.99) 3860.97,3541.99 ; v1@3855.31,3528.33 ccw(c3841.66,3541.99) 3860.97,3541.99 ; 3860.97,3541.99 ccw(c3880.28,3541.99) v1@3866.63,3528.33 ; 3860.97,3541.99 ccw(c3880.28,3541.99) v1@3866.63,3528.33 ; 3860.97,3541.99 ccw(c3880.28,3541.99) v1@3866.63,3528.33 ; 3860.97,3541.99 ccw(c3880.28,3541.99) v1@3866.63,3528.33
  Bottom Layer w8: v1(1685.89,2501.89) 1685.89,2687.98 1991.04,2993.13 3406.12,2993.13 3520.39,3107.39 ; 3526.89,3113.89 3520.39,3107.39 ; v1@3862.59,3524.3 3889.35,3497.53 3889.35,3309.3 3887.89,3307.83 3887.89,3287.95 3889.35,3286.48 3889.35,3252.36 3851.89,3214.89 3627.89,3214.89 3520.39,3107.39 ; v1@1680.23,2507.55 ccw(c1666.57,2521.21) 1685.89,2521.21 ; v1@1680.23,2507.55 ccw(c1666.57,2521.21) 1685.89,2521.21 ; v1@1680.23,2507.55 ccw(c1666.57,2521.21) 1685.89,2521.21 ; v1@1680.23,2507.55 ccw(c1666.57,2521.21) 1685.89,2521.21 ; 1685.89,2521.21 ccw(c1705.2,2521.21) v1@1691.54,2507.55 ; 1685.89,2521.21 ccw(c1705.2,2521.21) v1@1691.54,2507.55 ; 1685.89,2521.21 ccw(c1705.2,2521.21) v1@1691.54,2507.55 ; 1685.89,2521.21 ccw(c1705.2,2521.21) v1@1691.54,2507.55 ; v1@3860.97,3514.68 cw(c3860.97,3487.54) 3880.16,3506.73 ; v1@3860.97,3514.68 cw(c3860.97,3487.54) 3880.16,3506.73 ; v1@3860.97,3514.68 cw(c3860.97,3487.54) 3880.16,3506.73 ; v1@3860.97,3514.68 cw(c3860.97,3487.54) 3880.16,3506.73 ; v1@3868.97,3522.68 ccw(c3880.46,3522.68) 3872.33,3514.55 ; v1@3868.97,3522.68 ccw(c3880.46,3522.68) 3872.33,3514.55 ; v1@3868.97,3522.68 ccw(c3880.46,3522.68) 3872.33,3514.55 ; v1@3868.97,3522.68 ccw(c3880.46,3522.68) 3872.33,3514.55
BT0_REG_ON: U1.75 U4.38 | length 4297.4
  Top Layer w8: v1(1732.89,2460.89) 1732.89,1993.89 1968.86,1757.92 U1.75@2103.93,1757.92 ; U4.38@3774.6,3189.81 v1@3827.89,3189.81 ; v1@1727.23,2455.24 cw(c1713.57,2441.58) 1732.89,2441.58 ; v1@1727.23,2455.24 cw(c1713.57,2441.58) 1732.89,2441.58 ; v1@1727.23,2455.24 cw(c1713.57,2441.58) 1732.89,2441.58 ; v1@1727.23,2455.24 cw(c1713.57,2441.58) 1732.89,2441.58 ; 1732.89,2441.58 cw(c1752.2,2441.58) v1@1738.54,2455.24 ; 1732.89,2441.58 cw(c1752.2,2441.58) v1@1738.54,2455.24 ; 1732.89,2441.58 cw(c1752.2,2441.58) v1@1738.54,2455.24 ; 1732.89,2441.58 cw(c1752.2,2441.58) v1@1738.54,2455.24 ; 2044.07,1757.92 cw(c2044.07,1729.55) U1.75@2064.13,1749.61 ; 2044.07,1757.92 ccw(c2044.07,1786.28) U1.75@2064.13,1766.22 ; 2044.07,1757.92 cw(c2044.07,1729.55) U1.75@2064.13,1749.61 ; 2044.07,1757.92 ccw(c2044.07,1786.28) U1.75@2064.13,1766.22 ; 2044.07,1757.92 ccw(c2044.07,1786.28) U1.75@2064.13,1766.22 ; 2044.07,1757.92 cw(c2044.07,1729.55) U1.75@2064.13,1749.61 ; 2044.07,1757.92 ccw(c2044.07,1786.28) U1.75@2064.13,1766.22 ; 2044.07,1757.92 cw(c2044.07,1729.55) U1.75@2064.13,1749.61 ; U4.38@3793.5,3185.68 cw(c3803.47,3175.7) 3803.47,3189.81 ; U4.38@3793.5,3185.68 cw(c3803.47,3175.7) 3803.47,3189.81 ; U4.38@3793.5,3185.68 cw(c3803.47,3175.7) 3803.47,3189.81 ; U4.38@3793.5,3185.68 cw(c3803.47,3175.7) 3803.47,3189.81 ; U4.38@3793.5,3193.94 ccw(c3803.47,3203.91) 3803.47,3189.81 ; U4.38@3793.5,3193.94 ccw(c3803.47,3203.91) 3803.47,3189.81 ; U4.38@3793.5,3193.94 ccw(c3803.47,3203.91) 3803.47,3189.81 ; U4.38@3793.5,3193.94 ccw(c3803.47,3203.91) 3803.47,3189.81 ; 3806.35,3189.81 ccw(c3806.35,3212.27) v1@3822.23,3196.38 ; 3806.35,3189.81 ccw(c3806.35,3212.27) v1@3822.23,3196.38 ; 3806.35,3189.81 ccw(c3806.35,3212.27) v1@3822.23,3196.38 ; 3806.35,3189.81 ccw(c3806.35,3212.27) v1@3822.23,3196.38 ; 3810.8,3189.81 cw(c3810.8,3173.64) v1@3822.23,3185.07 ; 3810.8,3189.81 cw(c3810.8,3173.64) v1@3822.23,3185.07 ; 3810.8,3189.81 cw(c3810.8,3173.64) v1@3822.23,3185.07 ; 3810.8,3189.81 cw(c3810.8,3173.64) v1@3822.23,3185.07
  Bottom Layer w8: v1(1732.89,2460.89) 1709.89,2483.89 1709.89,2676.46 2009.46,2976.03 3223.75,2976.03 3224.31,2976.6 3420.6,2976.6 3634.72,3190.73 v1(3827.89,3190.73) ; 1719.23,2474.55 cw(c1705.57,2460.89) v1@1724.89,2460.89 ; 1719.23,2474.55 ccw(c1732.89,2488.21) v1@1732.89,2468.89 ; 1719.23,2474.55 cw(c1705.57,2460.89) v1@1724.89,2460.89 ; 1719.23,2474.55 ccw(c1732.89,2488.21) v1@1732.89,2468.89 ; 1719.23,2474.55 ccw(c1732.89,2488.21) v1@1732.89,2468.89 ; 1719.23,2474.55 cw(c1705.57,2460.89) v1@1724.89,2460.89 ; 1719.23,2474.55 ccw(c1732.89,2488.21) v1@1732.89,2468.89 ; 1719.23,2474.55 cw(c1705.57,2460.89) v1@1724.89,2460.89 ; 3808.57,3190.73 cw(c3808.57,3171.41) v1@3822.23,3185.07 ; 3808.57,3190.73 ccw(c3808.57,3210.04) v1@3822.23,3196.38 ; 3808.57,3190.73 cw(c3808.57,3171.41) v1@3822.23,3185.07 ; 3808.57,3190.73 ccw(c3808.57,3210.04) v1@3822.23,3196.38 ; 3808.57,3190.73 ccw(c3808.57,3210.04) v1@3822.23,3196.38 ; 3808.57,3190.73 cw(c3808.57,3171.41) v1@3822.23,3185.07 ; 3808.57,3190.73 ccw(c3808.57,3210.04) v1@3822.23,3196.38 ; 3808.57,3190.73 cw(c3808.57,3171.41) v1@3822.23,3185.07
BT0_RTS: U1.62 U4.43 | length 3687.7
  Top Layer w8: v1@2036.24,2407.92 U1.62@2103.93,2407.92 ; 3827.89,3366.97 U4.43@3774.6,3366.97 3842.81,3366.97 v1(3911.89,3297.89) ; v1@2041.9,2402.18 cw(c2055.74,2388.33) 2055.74,2407.92 ; v1@2041.9,2402.18 cw(c2055.74,2388.33) 2055.74,2407.92 ; v1@2041.9,2402.18 cw(c2055.74,2388.33) 2055.74,2407.92 ; v1@2041.9,2402.18 cw(c2055.74,2388.33) 2055.74,2407.92 ; v1@2041.9,2413.49 ccw(c2055.36,2426.96) 2055.36,2407.92 ; v1@2041.9,2413.49 ccw(c2055.36,2426.96) 2055.36,2407.92 ; v1@2041.9,2413.49 ccw(c2055.36,2426.96) 2055.36,2407.92 ; v1@2041.9,2413.49 ccw(c2055.36,2426.96) 2055.36,2407.92 ; v1@2044.07,2407.92 cw(c2044.07,2379.55) U1.62@2064.13,2399.61 ; v1@2044.07,2407.92 ccw(c2044.07,2436.28) U1.62@2064.13,2416.22 ; v1@2044.07,2407.92 cw(c2044.07,2379.55) U1.62@2064.13,2399.61 ; v1@2044.07,2407.92 ccw(c2044.07,2436.28) U1.62@2064.13,2416.22 ; v1@2044.07,2407.92 ccw(c2044.07,2436.28) U1.62@2064.13,2416.22 ; v1@2044.07,2407.92 cw(c2044.07,2379.55) U1.62@2064.13,2399.61 ; v1@2044.07,2407.92 ccw(c2044.07,2436.28) U1.62@2064.13,2416.22 ; v1@2044.07,2407.92 cw(c2044.07,2379.55) U1.62@2064.13,2399.61 ; U4.43@3793.5,3362.84 cw(c3803.47,3352.87) 3803.47,3366.97 ; U4.43@3793.5,3362.84 cw(c3803.47,3352.87) 3803.47,3366.97 ; U4.43@3793.5,3362.84 cw(c3803.47,3352.87) 3803.47,3366.97 ; U4.43@3793.5,3362.84 cw(c3803.47,3352.87) 3803.47,3366.97 ; U4.43@3793.5,3362.84 cw(c3803.47,3352.87) 3803.47,3366.97 ; U4.43@3793.5,3362.84 cw(c3803.47,3352.87) 3803.47,3366.97 ; U4.43@3793.5,3362.84 cw(c3803.47,3352.87) 3803.47,3366.97 ; U4.43@3793.5,3362.84 cw(c3803.47,3352.87) 3803.47,3366.97 ; U4.43@3793.5,3371.1 ccw(c3803.47,3381.08) 3803.47,3366.97 ; U4.43@3793.5,3371.1 ccw(c3803.47,3381.08) 3803.47,3366.97 ; U4.43@3793.5,3371.1 ccw(c3803.47,3381.08) 3803.47,3366.97 ; U4.43@3793.5,3371.1 ccw(c3803.47,3381.08) 3803.47,3366.97 ; U4.43@3793.5,3371.1 ccw(c3803.47,3381.08) 3803.47,3366.97 ; U4.43@3793.5,3371.1 ccw(c3803.47,3381.08) 3803.47,3366.97 ; U4.43@3793.5,3371.1 ccw(c3803.47,3381.08) 3803.47,3366.97 ; U4.43@3793.5,3371.1 ccw(c3803.47,3381.08) 3803.47,3366.97 ; 3898.23,3311.55 cw(c3884.57,3297.89) v1@3903.89,3297.89 ; 3898.23,3311.55 ccw(c3911.89,3325.21) v1@3911.89,3305.89 ; 3898.23,3311.55 cw(c3884.57,3297.89) v1@3903.89,3297.89 ; 3898.23,3311.55 ccw(c3911.89,3325.21) v1@3911.89,3305.89 ; 3898.23,3311.55 ccw(c3911.89,3325.21) v1@3911.89,3305.89 ; 3898.23,3311.55 cw(c3884.57,3297.89) v1@3903.89,3297.89 ; 3898.23,3311.55 ccw(c3911.89,3325.21) v1@3911.89,3305.89 ; 3898.23,3311.55 cw(c3884.57,3297.89) v1@3903.89,3297.89
  Bottom Layer w8: v1(2036.24,2407.84) 2064.89,2436.48 2064.89,2769.89 2180.89,2885.89 3472.89,2885.89 3699.89,3112.89 3889.89,3112.89 3941.89,3164.89 3941.89,3267.89 v1(3911.89,3297.89) ; v1@2036.24,2415.84 ccw(c2036.24,2435.15) 2049.9,2421.49 ; v1@2036.24,2415.84 ccw(c2036.24,2435.15) 2049.9,2421.49 ; v1@2036.24,2415.84 ccw(c2036.24,2435.15) 2049.9,2421.49 ; v1@2036.24,2415.84 ccw(c2036.24,2435.15) 2049.9,2421.49 ; v1@2044.24,2407.84 cw(c2063.55,2407.84) 2049.9,2421.49 ; v1@2044.24,2407.84 cw(c2063.55,2407.84) 2049.9,2421.49 ; v1@2044.24,2407.84 cw(c2063.55,2407.84) 2049.9,2421.49 ; v1@2044.24,2407.84 cw(c2063.55,2407.84) 2049.9,2421.49 ; v1@3911.89,3289.89 cw(c3911.89,3270.58) 3925.54,3284.24 ; v1@3911.89,3289.89 cw(c3911.89,3270.58) 3925.54,3284.24 ; v1@3911.89,3289.89 cw(c3911.89,3270.58) 3925.54,3284.24 ; v1@3911.89,3289.89 cw(c3911.89,3270.58) 3925.54,3284.24 ; v1@3919.89,3297.89 ccw(c3939.2,3297.89) 3925.54,3284.24 ; v1@3919.89,3297.89 ccw(c3939.2,3297.89) 3925.54,3284.24 ; v1@3919.89,3297.89 ccw(c3939.2,3297.89) 3925.54,3284.24 ; v1@3919.89,3297.89 ccw(c3939.2,3297.89) 3925.54,3284.24